# KiCad board apple-color-monitor-iie-a2m2056.kicad_pcb (continued)
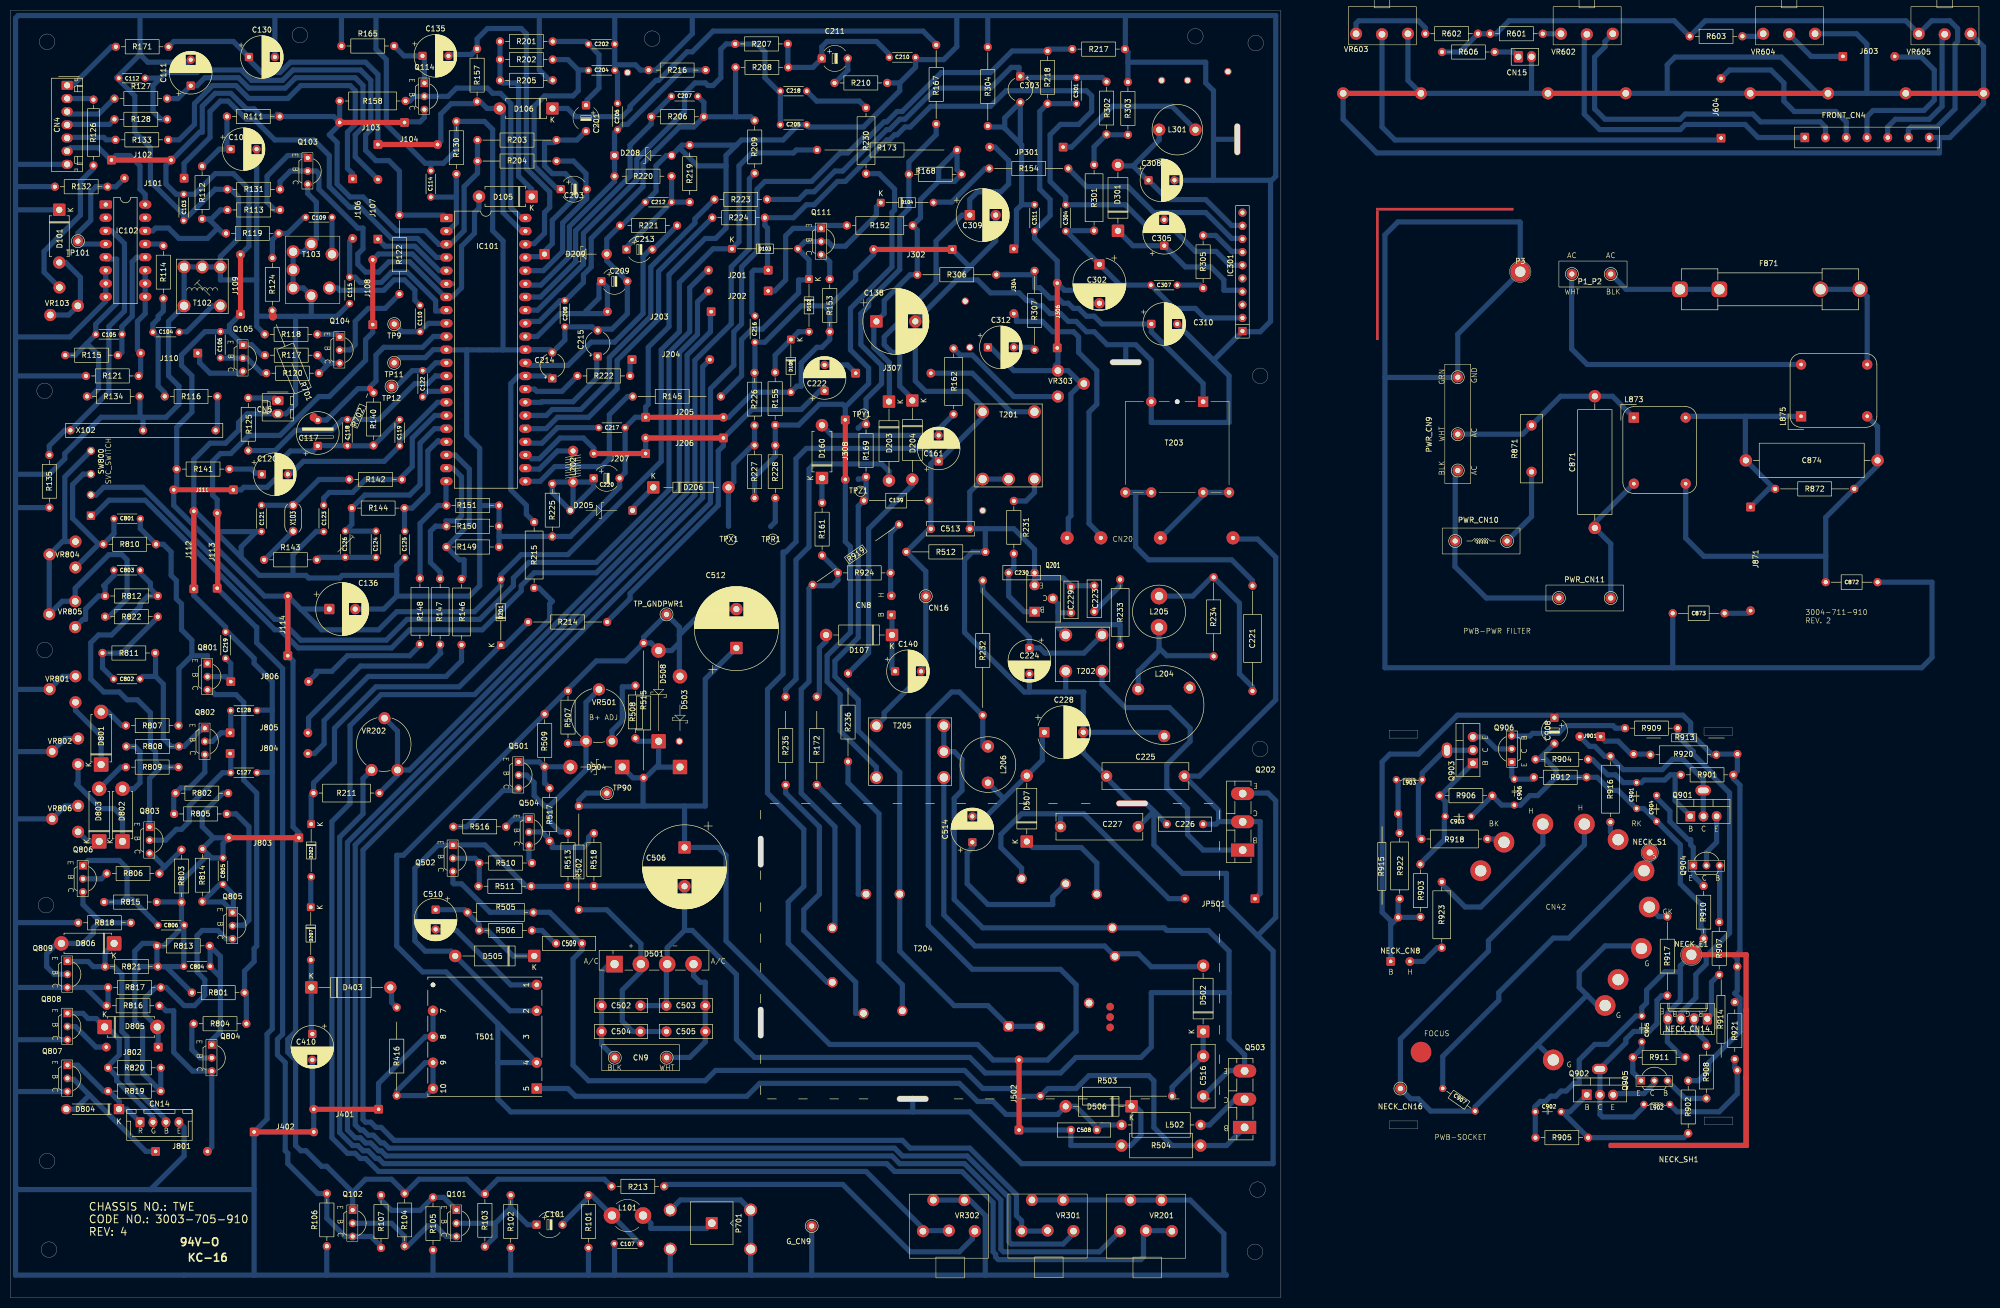
[diagram p0: board, top side]
## Footprints (pads in the part's own frame, mm; a bottom-side part is the same pattern mirrored in y, then rotated) (continued)
Laird_Technologies_BMI-S-103_26.21x26.21mm#3
  oval 1.2x6.2 hole 1x6 unplated: (0.5,48.2) (0.5,15.22)
  oval 6.2x1.2 hole 6x1: 1(29.811,0.5) 1(72.117,57.5)
Molex_KK-254_AE-6410-02A_1x02_P2.54mm_Vertical
  rrect 1.74x2.19 hole 1.19: 1(0,0)
  oval 1.74x2.19 hole 1.19: 2(2.54,0)
Molex_KK-254_AE-6410-04A_1x04_P2.54mm_Vertical
  rrect 1.74x2.19 hole 1.19: 1(0,0)
  oval 1.74x2.19 hole 1.19: 2(2.54,0) 3(5.08,0) 4(7.62,0)
Pin_D1.0mm_L10.0mm
  round 2 hole 1: 1(0,0)
Pin_D1.0mm_L10.0mm#2
  round 2 hole 1: 3(0,0)
Pin_D1.0mm_L10.0mm#3
  round 2 hole 1: TP(0,0)
Potentiometer_Piher_PT-10-V10_Vertical
  round 2.34 hole 1.3: 1(0,0) 2(10,2.5) 3(0,5)
Potentiometer_Piher_PT-15-V02_Vertical
  round 2.34 hole 1.3: (4.133,9.86) 1(4.418,-0.075) 2(13.472,4.952)
R_Array_SIP10
  oval 1.2x6.2 hole 1x6: 0(-6,22.5)
  oval 6.2x1.2 hole 6x1: 0(37,1)
  rect 1.6x1.6 hole 0.8: 1(0,0)
  round 1.6 hole 0.8: 2(2.54,0) 3(5.08,0) 4(7.62,0) 5(10.16,0) 6(12.7,0) 7(15.24,0) 8(17.78,0) 9(20.32,0) 10(22.86,0)
R_Axial_DIN0204_L3.6mm_D1.6mm_P5.08mm_Horizontal
  round 1.4 hole 0.7: 1(0,0) 2(5.08,0)
R_Axial_DIN0204_L3.6mm_D1.6mm_P7.62mm_Horizontal
  round 1.4 hole 0.7: 1(0,0) 2(7.62,0)
R_Axial_DIN0207_L6.3mm_D2.5mm_P10.16mm_Horizontal
  round 1.6 hole 0.8: 1(0,0) 2(10.16,0)
R_Axial_DIN0207_L6.3mm_D2.5mm_P15.24mm_Horizontal
  round 1.6 hole 0.8: 1(0,0) 2(15.24,0)
R_Axial_DIN0309_L9.0mm_D3.2mm_P12.70mm_Horizontal
  round 1.6 hole 0.8: 1(0,0) 2(12.7,0)
R_Axial_DIN0309_L9.0mm_D3.2mm_P20.32mm_Horizontal
  round 1.6 hole 0.8: 1(0,0) 2(20.32,0)
R_Axial_DIN0309_L9.0mm_D3.2mm_P20.32mm_Horizontal#2
  round 1.2 smd: 1(0,0) 2(11.95,0)
R_Axial_DIN0309_L9.0mm_D3.2mm_P20.32mm_Horizontal#3
  round 1.6 smd: 1(0,0) 2(21,0)
R_Axial_DIN0309_L9.0mm_D3.2mm_P25.40mm_Horizontal
  round 1.6 hole 0.8: 1(0,0) 2(25.4,0)
R_Axial_DIN0414_L11.9mm_D4.5mm_P15.24mm_Horizontal
  round 2.4 hole 1.2: 1(0,0) 2(15.24,0)
R_Axial_P11.0mm
  round 1.6 hole 0.8: 1(0,0) 2(11,0)
R_Axial_Power_L20.0mm_W6.4mm_P25.40mm
  round 2.4 hole 1.2: 1(0,0) 2(25.4,0)
R_Axial_side_shift_P20.32mm
  round 1.6 hole 0.8: 1(0,0) 2(20.004,0)
R_Box_L13.0mm_W4.0mm_P9.00mm
  round 2 hole 1: 1(0,0) 2(9,0)
Resonator-2Pin_W6.0mm_H3.0mm
  round 1.7 hole 1: 1(0,0) 2(5,0)
SMA_Amphenol_901-143_Horizontal
  rrect 2.3x2.3 hole 1.5: 1(0,0)
  round 2.5 hole 1.7: 2(-7.5,5) 2(-7.5,-2.54) 2(8,5) 2(8,-2.54)
SolderWire-0.127sqmm_1x02_P3.7mm_D0.48mm_OD1mm
  rrect 1.7x1.7 hole 0.7: 1(0,0)
  round 1.7 hole 0.7: 2(3.7,0)
TO-3P-3_Vertical
  rect 2.5x4.5 hole 1.5: 1(0,0)
  oval 2.5x4.5 hole 1.5: 2(5.45,0) 3(10.9,0)
TO-220-3_Vertical
  rect 1.905x2 hole 1.1: 1(0,0)
  oval 1.905x2 hole 1.1: 2(2.54,-3.5) 3(5.08,0)
Transformer_Breve_TEZ-22x24
  round 2 hole 0.9 unplated: (11,1)
  rect 2x2 hole 0.9: 1(6,1)
  round 2 hole 0.9: 3(16,1) 4(21,18.5) 5(16,18.5) 6(6,18.5) 7(1,18.5)
Transformer_Breve_TEZ-28x33
  round 2 hole 0.9 unplated: (20,20)
  round 2 hole 0.9: 1(20,0) 2(15,0) 4(5,0) 7(15,20) 8(10,20) 9(5,20) 10(0,20)
  rect 2x2 hole 0.9: 5(0,0)

## Nets
+12V: C103.1 C106.2 C117.1 C118.2 C119.2 C136.1 C804.2 C805.1 C806.2 CN4.6 D103.1 D201.2 IC101.3 IC102.16 J102.1 J102.2 J103.1 J103.2 J109.1 J109.2 J111.1 J111.2 J114.1 J114.2 J803.1 J803.2 Q102.1 Q105.1 Q114.3 R103.2 R104.2 R111.1 R117.1 R140.1 R141.1 R158.2 R173.1 R203.1 R204.1 R213.1 R702.2 R801.1 R802.1 R803.2 R813.2 R814.2 R815.2 R819.1 R820.1 R821.1
+18V: C138.1 D203.1 R152.1 R168.1 R173.2 R306.2
+36VAC: J308.1 J308.2 R155.2 R227.1 R228.1 R230.2 T205.2
/VCC_24V: C308.1 D301.2 IC301.9 L301.1
GND1: C901.2 C902.2 C903.2 C904.2 C905.2 C906.1 C908.2 NECK_CN14.4 NECK_E1.1 NECK_SH1.1 R904.1 R905.1 R906.2 R910.1 R911.1 R912.1
GND2: C907.2 CN42.2 CN42.3 CN42.5 CN42.9 NECK_CN16.1
GNDREF: C102.2 C103.2 C107.2 C111.2 C112.2 C114.2 C115.2 C121.2 C123.2 C125.2 C127.2 C128.2 C130.2 C136.2 C138.2 C139.2 C140.2 C161.1 C202.2 C204.2 C205.2 C206.2 C208.2 C209.2 C210.2 C212.2 C214.2 C215.2 C216.1 C217.2 C219.2 C220.2 C308.2 C309.2 C310.2 C410.2 C513.1 CN4.7 CN5.2 CN14.4 CN16.1 D101.1 D108.2 D208.2 D209.2 G_CN9.3 IC101.11 IC101.32 IC102.6 IC102.7 IC102.8 IC301.0 IC301.1 J112.1 J112.2 J205.1 J205.2 J302.1 J302.2 J401.1 J401.2 J402.1 J402.2 P701.2 Q103.3 Q807.3 Q808.3 Q809.3 R101.2 R102.2 R105.2 R106.1 R118.2 R121.1 R124.1 R130.2 R131.2 R132.1 R134.1 R135.1 R149.2 R150.2 R151.2 R153.1 R165.1 R205.1 R210.2 R216.1 R217.1 R219.1 R221.1 R225.2 R226.2 R303.1 R304.1 R512.2 R701.2 R816.1 R817.1 R818.1 T102.1 T102.3 T102.4 T102.5 T103.3 T103.4 T103.5 T103.6 T103.7 T201.2 T203.3 T204.14 T205.1 T501.7 T501.8 TP11.1 VR201.4 VR201.5 VR301.4 VR301.5 VR302.4 VR302.5 VR801.1 VR801.2 VR802.1 VR802.2 VR806.1 VR806.2 X102.3
/ACC_FILTER: C117.2 IC101.10 R140.2 R701.1 R702.1
/AFC: C205.1 C218.1 IC101.35 R207.2
/AMP_VOLTAGE: C305.1 D301.1 IC301.4
/ANODE: T204.3
/APC_FILTER: C119.1 C120.2 IC101.15
/B_Y_OUT: IC101.19 R146.2 R149.1
/BK: CN42.11 R918.2
/BLOCK_PULSE_IN: IC301.7 R305.1
/BLOCK_PULSE_OUT: C305.2 IC301.8 R154.1
/BRIGHT_CTRL: C130.1 D106.2 IC101.41 J104.1 J104.2 R157.1 R171.1
/CHROMA_IN: C110.1 IC101.9 TP9.1
/CHROMA_OUT: C122.1 IC101.12 TP12.1
/CLAMP_IN: C135.2 IC101.40 R157.2
/COLOR_CONTROL: C112.1 IC101.1 R122.1 R128.2
/CONTRAST_CONTROL: IC101.5 J107.1
/CONTRAST_OUT_C: IC101.42 Q114.2 R158.1
/CONTRAST_OUT_E: C114.1 IC101.2 R130.1
/CRT_10: CN42.10 R923.2
/DELAY_IN: IC101.4 J101.1
/DEMO_IN: C122.2 IC101.14
/FLY_7: D502.2 T204.7 T205.3
/FOCUS: T204.5
/G_Y_OUT: IC101.20 R147.1 R150.1
/GK: CN42.6 R917.1
/H_DRIVE_OUT: C222.1 IC101.24 J206.1 J206.2 J207.1 J207.2 R214.1
/H_OSC_DISCHARGE: C207.1 IC101.36 R206.1
/H_OSC_TIMING: C207.2 C208.1 IC101.34 R206.2 R208.2 R209.2
/H_VCC_8V: C209.1 IC101.33 J203.2
/HEIGHT_CTRL: IC101.29 R222.2
/HUE_CONTROL: C115.1 IC101.8 J106.2
/KILLER_FILTER: C118.1 IC101.13 R125.1
/MIN_PI_4TH_IN: C125.1 IC101.18 R144.1
/NECK_B: C908.1 NECK_CN8.1 R901.2 R902.1 R903.1 R913.1 R914.1 R915.2 R920.1 R921.2 R922.1
/NFB_IN: IC101.27 R223.2
/PWR_BLK: C502.1 C504.2 CN9.1 D501.1
/PWR_WHT: C503.1 C505.2 CN9.2 D501.4
/R_Y_OUT: IC101.21 R148.1 R151.1
/RK: CN42.8 R916.2
/SCREEN: T204.6
/SVC_SW_1: J202.1 Q111.1 R152.2
/SVC_SW_3: C801.1 R810.1 SW800.3 VR804.3
/SVC_SW_4: R822.2 SW800.4 VR804.1 VR804.2 VR805.1 VR805.2
/SYNC_OUT: C206.1 D208.1 IC101.37 R216.2 R220.1
/SYNC_SEP_H: C201.2 D209.1 IC101.39 R203.2
/SYNC_SEP_V: C203.2 IC101.38 R204.2
/TIMING: C214.1 IC101.30 R215.2
/V_DRIVE_OUT: IC101.26 R224.2
/V_SAWTOOTH_IN: C216.2 C304.1 IC301.6 J201.1 R224.1
/VERTICAL_OUT: C302.1 C304.2 C307.2 IC301.2 R301.2
/VIDEO_INV_IN: IC101.6 J108.1 J108.2 J113.1 J113.2 Q102.3 R106.2 R107.2
/VIDEO_INV_OUT: D105.2 IC101.7 Q103.2 R131.1
/VSYNC_IN: C213.2 IC101.31 R221.2
/XRAY_PROTECTOR: IC101.23 L202.2
/XTAL_DRIVE: C123.1 IC101.16 R142.1
/XTAL_IN: C124.2 C126.2 IC101.17 R144.2
/Y_OUT: IC101.22 R145.1
CTRL: CN15.2 FRONT_CN4.7 VR602.4 VR603.3 VR603.4 VR604.3 VR604.4 VR605.3 VR605.4
CTRL +12V: FRONT_CN4.6 R601.2 R602.1 R603.2 R606.1 VR605.1
GCOM: C502.2 C503.2 C506.2 C516.1 D501.3 D505.2 Q502.1 Q503.3 R511.1 R513.1 R518.1 T204.7.5 T205.4 T205.5 T501.2
GHORZ: C223.2 C224.2 C225.1 C226.1 C227.1 C228.2 C229.2 C230.2 C512.2 C513.2 D503.2 D508.2 L204.2 Q201.3 Q202.3 R507.2 R509.2 R512.1 R515.1 SH1.1 T201.3 T201.4 T202.3 T501.4 TP_GNDPWR1.TP
VCOM: C506.1 C508.2 C512.1 D503.1 D504.1 D506.1 D508.1 J502.1 J502.2 L206.1 R232.2 R502.1 R504.2 R508.1 R515.2 TP90.1
Net-(C101-Pad2): C101.2 C107.1 L101.2 R101.1
Net-(C102-Pad1): C102.1 R111.2 R112.1
Net-(C104-Pad1): C104.1 R114.1 R116.2
Net-(C109-Pad2): C109.2 R119.2 R124.2
Net-(C120-Pad1): C120.1 R141.2
Net-(C121-Pad1): C121.1 R142.2 X103.2
Net-(C124-Pad1): C124.1 C126.1 R143.2
Net-(C201-Pad1): C201.1 C202.1 R201.1
Net-(C203-Pad1): C203.1 C204.1 R202.1
Net-(C210-Pad1): C210.1 C211.1 R207.1 R208.1
Net-(C211-Pad2): C211.2 R210.1
Net-(C212-Pad1): C212.1 C213.1 R219.2 R220.2
Net-(C218-Pad2): C218.2 R230.1
Net-(C221-Pad2): C221.2 L205.1 R234.2
Net-(C223-Pad1): C223.1 R233.2
Net-(C301-Pad2): C301.2 C303.1 R223.1 R302.2
Net-(C307-Pad1): C307.1 R305.2
Net-(C312-Pad2): C312.2 R307.1
Net-(C509-Pad2): C509.2 R506.1
Net-(C514-Pad1): C514.1 T204.9
Net-(C802-Pad2): C802.2 R811.2 R822.1
Net-(C803-Pad2): C803.2 R812.2 VR805.3
Net-(C872-Pad2): C872.2 C874.1 L873.4 L875.3 R872.1
Net-(CN4-BLU): CN4.5 R133.2
Net-(CN4-BRN): CN4.1 R171.2
Net-(CN4-GRN): CN4.4 R128.1
Net-(CN4-PNK): CN4.2 R126.2
Net-(CN4-YLW): CN4.3 R127.1
Net-(CN5-RED): CN5.1 R125.2
Net-(CN8-B): C140.1 CN8.1 D107.1
Net-(CN8-H): CN8.2 R919.2 R924.2
Net-(CN14-B): CN14.3 D806.1 Q809.1 R821.2
Net-(CN14-G): CN14.2 D805.1 Q808.1 R820.2
Net-(CN14-R): CN14.1 D804.1 Q807.1 R819.2
Net-(CN15-+): CN15.1 R606.2
Net-(CN20-BLU): CN20.4 T203.6 T203.7
Net-(CN20-GRN): CN20.2 J304.2
Net-(CN20-RED): C225.2 C226.2 CN20.6 JP501.1 Q202.2
Net-(CN20-YLW): C301.1 C302.2 C311.2 C312.1 CN20.1 J306.1 J306.2 R218.2 VR303.2 VR303.3
Net-(CN42-FOCUS): CN42.1
Net-(CN42-S): C907.1 CN42.7 NECK_S1.1
Net-(D101-A): D101.2 VR103.2 VR103.3
Net-(D102-A): D102.2 D108.1 R155.1
Net-(D102-K): D102.1 D103.2 D104.1 Q111.2 R145.2
Net-(D104-A): D104.2 R154.2
Net-(D105-K): D105.1 R201.2 R202.2 R205.2
Net-(D106-K): D106.1 R167.2
Net-(D107-A): D107.2 R172.2
Net-(D160-A): C161.2 D160.2 R162.1
Net-(D160-K): D160.1 R161.1
Net-(D201-K): D201.1 D202.1 R211.2 R214.2
Net-(D202-A): D202.2 D207.1
Net-(D203-A): D203.2 R235.2
Net-(D204-A): D204.2 R236.2
Net-(D204-K): C309.1 D204.1 JP301.2
Net-(D205-A): C220.1 D205.2 L202.1 R225.1
Net-(D205-K): D205.1 D206.1
Net-(D206-A): D206.2 R226.1 R227.2 TPX1.TP
Net-(D207-A): C410.1 D207.2 D403.1
Net-(D403-A): D403.2 R416.2
Net-(D501-+): C504.1 C505.1 D501.2 R502.2
Net-(D502-K): C516.2 D502.1 R503.2
Net-(D504-A): D504.2 Q501.1 R509.1 R517.1
Net-(D505-K): C510.1 D505.1 R505.1 R506.2
Net-(D506-A): C508.1 D506.2 L502.1 T501.5
Net-(D507-A): C228.1 C514.2 D507.2 L206.2
Net-(D507-K): D507.1 T204.8
Net-(D801-A): D801.2 R807.2
Net-(D801-K): D801.1 VR801.3
Net-(D802-A): D802.2 R808.2
Net-(D802-K): D802.1 VR802.3
Net-(D803-A): D803.2 R809.2
Net-(D803-K): D803.1 VR806.3
Net-(D804-A): D804.2 J801.1 Q807.2
Net-(D805-A): D805.2 J802.1 Q805.3 R817.2
Net-(D806-A): D806.2 Q806.3 Q809.2 R818.2
Net-(F871-Pad2): F871.2 L875.4
Net-(FRONT_CN4-BLU): FRONT_CN4.5 VR605.2
Net-(FRONT_CN4-BRN): FRONT_CN4.1 VR602.2
Net-(FRONT_CN4-GRN): FRONT_CN4.4 J603.2
Net-(FRONT_CN4-PNK): FRONT_CN4.2 VR602.3
Net-(FRONT_CN4-YLW): FRONT_CN4.3 J604.2
Net-(IC101-PHASE_COMP): C217.1 IC101.25
Net-(IC101-RAMP_CAPACITOR): C215.1 IC101.28
Net-(IC102-A0): C105.1 IC102.12 R115.2
Net-(IC102-A1): IC102.13 R114.2
Net-(IC102-A): IC102.14 R112.2 R113.2 R119.1
Net-(IC102-C0): C105.2 IC102.5 R115.1 R134.2
Net-(IC102-C1): IC102.3 R135.2 X102.1
Net-(IC102-C): IC102.4 J101.2 R132.2 TP101.1
Net-(IC102-S1): IC102.9 IC102.10 IC102.11 J110.2 R121.2
Net-(J106-A): J106.1 R133.1
Net-(J107-B): C111.1 J107.2 R127.2
Net-(J110-A): J110.1 Q105.3
Net-(J201-B): J201.2 SW800.2
Net-(J202-B): J202.2 SW800.1
Net-(J203-A): J203.1 R211.1 VR202.1 VR202.2
Net-(J204-A): J204.1 R222.1
Net-(J204-B): J204.2 VR301.1
Net-(J304-A): C303.2 C311.1 J304.1 R304.2
Net-(J307-A): C222.2 J307.1
Net-(J307-B): J307.2 T201.1
Net-(J603-A): J603.1 VR604.2
Net-(J604-A): J604.1 VR603.2
Net-(J801-B): J801.2 Q804.3 R816.2
Net-(J802-B): J802.2 Q808.2
Net-(J804-A): C127.1 J804.1 Q803.2
Net-(J804-B): J804.2 R146.1
Net-(J805-A): C128.1 J805.1 Q802.2
Net-(J805-B): J805.2 R147.2
Net-(J806-A): C219.1 J806.1 Q801.2
Net-(J806-B): J806.2 R148.2
Net-(J871-A): C874.2 J871.1 L873.2 L875.1 R872.2
Net-(J871-B): C873.1 J871.2
Net-(J901-A): J901.1 R913.2 R920.2
Net-(J901-B): J901.2 Q901.2 R916.1
Net-(JP301-A): JP301.1 L301.2
Net-(JP501-B): C227.2 JP501.2 T204.10
Net-(L204-Pad1): L204.1 L205.2 R234.1
Net-(L902-Pad2): L902.2 R914.2 R921.1
Net-(L903-Pad1): L903.1 R915.1 R922.2
Net-(NECK_CN8-H): NECK_CN8.2 R923.1
Net-(NECK_CN14-B): NECK_CN14.3 R909.1
Net-(NECK_CN14-G): NECK_CN14.2 R908.2
Net-(NECK_CN14-R): NECK_CN14.1 R907.1
Net-(P1_P2-BLK): F871.1 P1_P2.2
Net-(P1_P2-WHT): L875.2 P1_P2.1
Net-(P3-GND): C872.1 C873.2 P3.1 PWR_CN9.3
Net-(P701-In): L101.1 P701.1
Net-(PWR_CN9-WHT): C871.2 L873.1 PWR_CN9.2 R871.2
Net-(PWR_CN10-Pin_1): PWR_CN9.1 PWR_CN10.1 PWR_CN11.1
Net-(PWR_CN10-Pin_2): PWR_CN10.2 R871.1
Net-(PWR_CN11-Pin_2): C871.1 L873.3 PWR_CN11.2
Net-(Q101-B): C101.1 Q101.2 R102.1 R103.1
Net-(Q101-C): Q101.3 Q102.2 R104.1
Net-(Q101-E): Q101.1 R105.1 R107.1
Net-(Q103-E): Q103.1 R113.1
Net-(Q104-B): Q104.2 R122.2
Net-(Q104-C): Q104.3 R117.2 R120.2
Net-(Q104-E): Q104.1 R118.1
Net-(Q105-B): C106.1 Q105.2 R120.1
Net-(Q111-C): Q111.3 R153.2
Net-(Q114-E): C135.1 Q114.1 R165.2
Net-(Q201-B): C230.1 Q201.1 R231.2
Net-(Q201-C): C229.1 Q201.2 R233.1 T202.2
Net-(Q202-B): Q202.1 T202.4
Net-(Q501-B): Q501.2 R507.1 R513.2 VR501.2 VR501.3
Net-(Q501-C): Q501.3 R516.1
Net-(Q502-B): Q502.2 R510.2 R511.2
Net-(Q502-C): C509.1 Q502.3 Q503.1 R503.1 R504.1 R505.2
Net-(Q503-C): L502.2 Q503.2
Net-(Q504-B): Q504.2 R517.2 R518.2
Net-(Q504-C): Q504.3 R510.1
Net-(Q504-E): Q504.1 R516.2
Net-(Q801-C): Q801.3 R801.2 R804.2
Net-(Q801-E): C801.2 Q801.1 R807.1 R810.2
Net-(Q802-C): Q802.3 R802.2 R805.1
Net-(Q802-E): C802.1 Q802.1 R808.1 R811.1
Net-(Q803-C): Q803.3 R803.1 R806.2
Net-(Q803-E): C803.1 Q803.1 R809.1 R812.1
Net-(Q804-B): Q804.2 R804.1
Net-(Q804-E): C804.1 Q804.1 R813.1
Net-(Q805-B): Q805.2 R805.2
Net-(Q805-E): C805.2 Q805.1 R814.1
Net-(Q806-B): Q806.2 R806.1
Net-(Q806-E): C806.1 Q806.1 R815.1
Net-(Q901-B): C901.1 Q901.1 R901.1 R904.2
Net-(Q901-E): Q901.3 Q904.2
Net-(Q902-B): C902.1 Q902.1 R902.2 R905.2
Net-(Q902-C): L902.1 Q902.2 R917.2
Net-(Q902-E): Q902.3 Q905.2
Net-(Q903-B): C903.1 Q903.1 R903.2 R906.1
Net-(Q903-C): L903.2 Q903.2 R918.1
Net-(Q903-E): Q903.3 Q906.2
Net-(Q904-B): Q904.3 R907.2
Net-(Q904-E): C904.1 Q904.1 R910.2
Net-(Q905-B): Q905.3 R908.1
Net-(Q905-E): C905.1 Q905.1 R911.2
Net-(Q906-B): Q906.3 R909.2
Net-(Q906-E): C906.2 Q906.1 R912.2
Net-(R116-Pad1): R116.1 X102.2
Net-(R126-Pad1): R126.1 VR103.1
Net-(R143-Pad1): R143.1 X103.1
Net-(R161-Pad2): R161.2 R919.1 R924.1 T204.13
Net-(R162-Pad2): R162.2 VR303.1
Net-(R172-Pad1): R172.1 T204.12
Net-(R209-Pad1): R209.1 VR201.3
Net-(R213-Pad2): R213.2 VR302.1
Net-(R215-Pad1): R215.1 VR302.2 VR302.3
Net-(R217-Pad2): R217.2 R218.1 VR301.2 VR301.3
Net-(R235-Pad1): R235.1 T204.15
Net-(R236-Pad1): R236.1 T204.16
Net-(R301-Pad1): R301.1 R302.1 R303.2
Net-(R508-Pad2): R508.2 VR501.1
Net-(R601-Pad1): R601.1 VR602.1
Net-(R602-Pad2): R602.2 VR603.1
Net-(R603-Pad1): R603.1 VR604.1
Net-(SH2-PWR_PCB_MOUNT): SH2.1
Net-(T102-AB): C104.2 T102.2
Net-(T103-AA): C109.1 T103.1
Net-(T103-AB): C110.2 T103.2
Net-(T201-SB): R231.1 T201.5
Net-(T202-AA): C224.1 R232.1 T202.1
Net-(T203-IN+): C310.1 R306.1 R307.2 T203.1
Net-(T203-OUT2A): C221.1 T203.4 T203.5
Net-(T501-PA): C510.2 T501.1
Net-(T501-SA): R416.1 T501.9 T501.10
Net-(TPR1-TP_R): R228.2 TPR1.TP
Net-(TPY1-TP_Y): R167.1 R168.2 R169.1 TPY1.TP
Net-(TPZ1-TP_Z): C139.1 R169.2 T204.1 T204.2 T204.11 TPZ1.TP
Net-(VR201-Pad1): VR201.1 VR201.2 VR202.3

Pads without a net: CN42 4 12; IC102 1 2 15; IC301 3 5 10

## Routing (per net, layer and track width the routed paths; a pad name or vN(x,y) marks a point on that pad's centre or on a via; arc(x,y) is an arc through that point)
+12V: length 845.6
  Top w1: J102.1 J102.2 ; J103.2 J103.1 ; J109.2 J109.1 ; J111.2 J111.1 ; J803.2 J803.1 ; J114.2 J114.1
  Bottom w1: R801.1 29.98,63.87 R821.1 ; J103.2 62.35,227.87 R111.1 ; J103.2 R158.2 ; J103.2 63.5,226.34 61.5,224.34 63,222.84 63,214.84 65.5,212.34 68,212.34 74.5,205.84 80,205.84 82.64,203.21 IC101.3 84.86,203.21 87.5,205.84 87.5,214.34 90.08,216.92 R204.1 R203.1 ; 39.16,88.72 R814.2 38.13,85.47 ; 39.16,88.72 J803.2 41,87.59 C805.1 38.76,84.84 38.13,85.47 ; 39.16,88.72 37,90.88 37,93.34 40.98,97.32 R802.1 ; 42.25,186.38 C106.2 40.44,186.38 40.42,186.37 37.52,186.37 33,181.84 33,179.84 35,177.84 35,170.84 32.08,167.92 R141.1 32.08,156.42 J111.2 31.5,152.84 49,135.34 J114.2 56,132.84 ; 42.25,186.38 42.25,187.59 J109.1 ; 42.25,186.38 Q105.1 46.45,183.79 46.5,183.84 48.53,181.82 R117.1 ; R111.1 48.47,227.87 47,229.34 45.5,229.34 42.5,232.34 39.5,232.34 37,229.84 37,224.84 36.5,224.84 31.12,219.47 J102.2 30,218.47 30,214.84 31.98,212.87 C103.1 35.52,212.87 39.5,216.84 43,216.84 46,213.84 46,202.84 J109.2 ; R111.1 51.45,228.34 ; C806.2 33.45,71.75 C804.2 33.39,63.87 R821.1 ; C806.2 29.56,67.87 R813.2 ; C806.2 33,72.38 R803.2 ; 38.13,85.47 33,80.34 R803.2 ; Q114.3 79.84,227.68 79,226.84 76.12,226.84 J103.1 ; R813.2 28.27,64.03 R821.1 ; R813.2 27.79,68.34 25.5,68.34 24,66.84 24,53.84 ; R821.1 25.02,63.87 24,62.84 ; 66,20.34 61,25.34 60,25.34 57,28.34 56,28.34 55,29.34 55,45.84 53.5,47.34 53.5,49.84 55,51.34 55,88.09 J803.1 55.62,89.72 54.5,90.84 54.5,122.84 J114.1 ; 66,20.34 Q102.1 ; 66,20.34 68.5,22.84 73.5,22.84 76.03,20.32 R104.2 78.79,22.84 88,22.84 90.84,20 R103.2 91.5,20.34 94,22.84 114.55,22.84 R213.1 ; R815.2 28.48,76.32 28.5,76.34 32.92,76.34 R803.2 ; C136.1 56,132.84 ; 56,132.84 60,128.84 71,128.84 74.5,132.34 89.5,132.34 94.58,137.42 D201.2 94.58,139.42 98.5,143.34 107.5,143.34 125.5,161.34 125.5,182.84 129,186.34 129,195.84 135.5,202.34 D103.1 140.5,203.69 140.5,218.34 143,220.84 151,220.84 151.57,221.41 R173.1 ; CN4.6 11.61,221.84 17,221.84 19.38,219.47 J102.1 20.38,220.34 23,220.34 25,218.34 25,213.84 26,212.84 IC102.16 ; J111.1 44.5,155.84 45,156.34 49.5,156.34 51.5,158.34 51.5,160.84 54,163.34 58.31,163.34 C117.1 59.33,164.36 R702.2 ; C118.2 69.95,164.34 R140.1 70.08,164.42 75.05,169.4 C119.2 ; 24,53.34 25.5,51.84 25.5,43.34 R819.1 R820.1
+18V: length 68.3
  Bottom w1: 179,215.34 179,217.84 182.55,221.39 R173.2 182.55,217.59 R168.1 182.05,215.34 179,215.34 ; 179,215.34 175.5,211.84 175.5,208.34 R152.1 174.88,205.96 R306.2 ; R306.2 175,197.34 ; R306.2 173.5,197.34 168.5,192.34 168.5,189.84 C138.1 166.5,187.84 166.5,183.34 169.5,180.34 169.5,172.84 169.48,172.87 D203.1
+36VAC: length 164.4
  Top w1: J308.1 J308.2
  Bottom w1: T205.2 167,102.34 160,109.34 160,116.34 157.5,118.84 157.5,123.84 162,128.34 162,144.84 161,145.84 J308.2 ; R230.2 167.5,216.84 170.5,213.84 170.5,209.84 170,209.34 170,198.84 162,190.84 162,182.84 165.5,179.34 165.5,176.34 161,171.84 ; 161,171.84 160.5,172.34 156,172.34 152,168.34 R155.2 147.5,168.34 R228.1 147.5,162.34 143.5,158.34 R227.1 ; 161,171.84 J308.1
/VCC_24V: length 37.9
  Bottom w1: 216.5,218.34 221.52,223.37 L301.1 ; 216.5,218.34 213.75,218.34 D301.2 ; 216.5,218.34 219.27,215.57 C308.1 223.19,211.84 230.5,211.84 235.5,206.84 237.5,206.84 237.56,206.79 IC301.9
GND1: length 232.3
  Top w1: NECK_SH1.1 NECK_SH1.1 NECK_SH1.1 334.7,42.37 NECK_SH1.1 334.7,42.38 NECK_SH1.1 334.7,66.11 334.74,66.15 NECK_E1.1
  Bottom w1: C903.2 281.78,92.86 R906.2 287.56,95.02 C906.1 291.18,95.02 293.02,96.86 294.52,96.86 298.04,100.38 ; C908.2 294.69,103.83 R904.1 295.99,103.83 296.02,103.86 298.04,101.83 298.04,100.38 ; 322.02,62.86 322.02,57.36 319.6,54.94 NECK_CN14.4 319.52,53.72 319.52,49.36 322.54,46.33 R911.1 ; 322.02,62.86 319.02,62.86 315.52,59.36 315.52,56.86 314.59,55.93 C905.2 313.49,54.33 308.02,48.86 305.52,48.86 302.52,45.86 302.52,41.36 301.52,41.36 300.02,39.86 299.02,39.86 298.02,38.86 297.02,38.86 296.02,37.86 295.02,37.86 293.94,36.78 293.94,35.86 ; 322.02,62.86 322.02,64.02 NECK_E1.1 326.52,68.52 R910.1 326.52,70.86 326.02,71.36 326.02,75.86 322.02,79.86 322.02,87.36 317.49,91.88 C904.2 314.97,94.36 C901.2 313.52,94.36 310.02,97.86 308.52,97.86 305.99,100.38 R912.1 298.04,100.38 ; C902.2 294.04,30.91 R905.1
GND2: length 141
  Bottom w1: 314.52,67.86 307.52,67.86 302.52,62.86 302.52,59.86 304.02,58.36 ; 304.02,58.36 306.02,56.36 CN42.3 ; 304.02,58.36 294.52,48.86 ; 294.52,48.86 CN42.2 ; 294.52,48.86 282.45,36.79 C907.2 273.89,35.99 271.52,38.36 270.02,38.36 NECK_CN16.1 268.04,49.88 285.02,66.86 285.02,68.86 303.52,87.36 CN42.9
GNDREF: length 2876.7
  Top w1: J402.1 J402.2 ; J302.1 J302.2 ; J112.2 J112.1 ; J401.2 J401.1 ; J205.1 J205.2
  Bottom w0.2: C204.2 116.54,236.78
  Bottom w1: IC102.6 IC102.7 IC102.8 18.38,192.22 11.5,185.34 1,185.34 ; 54.5,139.34 57,139.34 57.5,138.84 63.5,138.84 64,139.34 74.5,139.34 ; 54.5,139.34 54.5,143.34 59,147.84 59.05,147.79 C123.2 ; 54.5,139.34 48,139.34 44.5,142.84 ; 25.5,169.84 25,169.84 ; 25.5,169.84 30,169.84 32.5,172.34 32.5,175.84 30.5,177.84 30.5,188.34 T102.1 T102.5 T102.4 T102.3 ; 25.5,169.84 25.58,169.77 X102.3 ; 25,169.84 17.5,169.84 10.5,162.84 10.5,161.84 7.5,158.84 1,158.84 ; 25,169.84 25,173.84 24.98,173.87 R134.1 ; 188.5,247.34 215,247.34 ; 188.5,247.34 188.48,247.32 R304.1 ; 188.5,247.34 182.5,247.34 ; 215,247.34 244,247.34 244,216.34 243,215.34 ; 215,247.34 215,240.84 214.98,240.87 R217.1 215.5,240.29 215.5,238.34 ; 215,183.84 211.5,183.84 209,186.34 207.5,186.34 205.5,188.34 204,188.34 202.5,189.84 200.5,189.84 199,191.34 198,191.34 197,192.34 196,192.34 194.5,193.84 189,193.84 186.5,196.34 182.5,196.34 ; 215,183.84 215.08,183.76 IC301.0 ; 215,183.84 217,183.84 220,180.84 T203.3 220,168.84 235,168.84 235,177.84 232,180.84 ; 157.5,190.84 157,191.34 152.5,191.34 145.48,184.32 C216.1 143.57,178.5 R226.2 143.5,174.84 ; 157.5,190.84 158,190.34 R153.1 158,184.84 156.5,183.34 155.5,183.34 152.5,180.34 152.5,175.84 151.66,175.84 D108.2 143.66,174.68 143.5,174.84 ; 157.5,190.84 163,196.34 163,197.84 166.48,201.32 J302.2 ; D101.1 1.02,209.87 1,209.84 ; R121.1 1.02,177.82 1,177.84 ; 1,185.34 1,177.84 ; 1,185.34 1,209.84 ; 1,177.84 1,158.84 ; 1,158.84 1,152.34 ; Q807.3 1.08,39.76 1,39.84 ; 47.5,196.34 47.5,221.84 47.47,221.81 C102.2 ; 47.5,196.34 47.5,189.34 ; 47.5,196.34 40.5,196.34 T102.3 ; 1,21.34 1.5,20.84 27,20.84 ; 1,21.34 1,39.84 ; 1,21.34 1,4.34 47,4.34 ; 50.5,101.34 50.5,51.84 49.5,50.84 49.5,34.47 J402.1 47,20.84 ; 50.5,101.34 47.63,101.34 C127.2 ; 50.5,101.34 50.5,113.34 ; G_CN9.3 154.52,4.37 154.5,4.34 ; 55,189.31 58,189.31 ; 55,189.31 R701.2 ; 55,189.31 55,172.34 53.17,170.51 CN5.2 45.66,170.51 44,168.84 44,167.34 41.5,164.84 38.5,164.84 35.38,161.72 J112.2 35.62,151.72 39.55,147.79 ; 47,20.84 47,4.34 ; 47,20.84 27,20.84 ; 94.23,146.84 R150.2 R151.2 90.53,152.82 90.5,152.84 ; 94.23,146.84 R149.2 ; 94.23,146.84 R225.2 108,146.84 117.5,156.34 117.47,156.37 C220.2 118.54,159.14 C217.2 118.54,167.88 120.5,169.84 J205.1 122.5,171.84 123,172.34 123,183.34 127,187.34 127,197.34 134,204.34 136,204.34 138,206.34 138,218.34 ; 39.55,147.79 44.5,142.84 ; 39.55,147.79 C121.2 47.44,147.79 44.5,144.84 44.5,142.84 ; 70.5,247.34 102,247.34 ; 70.5,247.34 64,247.34 ; 70.5,247.34 70.5,240.84 72.5,238.84 72.5,226.34 80,218.84 81,218.84 ; 102,247.34 102,236.84 104,234.84 R205.1 ; 102,247.34 116.5,247.34 ; 90.5,152.84 90.5,163.84 88,166.34 88,182.84 ; 90.5,152.84 90.5,137.34 88.5,135.34 74.5,135.34 ; 74.5,139.34 74.5,141.19 C125.2 ; 74.5,139.34 74.5,135.34 ; C310.2 232,180.84 ; 232,180.84 237.58,186.43 IC301.1 237.71,186.34 241,186.34 243,188.34 243,215.34 ; R135.1 1.07,152.42 1,152.34 ; J401.1 71,41.34 80,50.34 T501.8 T501.7 ; 25,239.84 26.5,238.34 34.31,238.34 C111.2 ; 25,239.84 25,247.34 ; 25,239.84 20.5,235.34 20.58,235.27 C112.2 20.92,234.92 24,231.84 24,224.84 27,221.84 27,215.34 33.42,208.92 C103.2 33.45,207.79 39.5,213.84 39.52,213.82 R131.2 42.52,213.82 44,212.34 44,204.34 40.5,200.84 T102.3 ; 47,4.34 61,4.34 ; 232,223.34 232,215.57 ; 232,223.34 232,232.84 230.5,234.34 230.5,238.34 215.5,238.34 ; 232,223.34 232.12,223.47 IC301.0 ; 232,215.57 C308.2 ; 232,215.57 242.78,215.57 243,215.34 ; 1,49.84 1,39.84 ; 1,49.84 1.08,49.76 Q808.3 ; 1,49.84 1,59.84 ; 64,247.34 63.84,247.18 R165.1 ; 64,247.34 51,247.34 ; 1,152.34 1,117.34 ; 1,218.84 1.2,218.64 CN4.7 ; 1,218.84 1,214.34 ; 1,218.84 1,246.84 1.5,247.34 25,247.34 ; 88,182.84 95,182.84 ; 88,182.84 84.12,182.84 IC101.11 81.55,182.89 80,181.34 75,181.34 TP11.1 ; C161.1 176.5,163.84 153.5,163.84 151.5,161.84 151.5,145.84 149.5,143.84 149,143.84 149,120.34 146,117.34 146,97.34 153,90.34 153,79.34 150,76.34 150,68.34 157.5,60.84 T204.14 ; R102.2 96.47,4.37 96.5,4.34 ; 143.5,174.84 138.5,169.84 J205.2 ; 14.5,59.84 Q809.3 1,59.84 ; 14.5,59.84 R817.1 18.84,56.58 R816.1 18.02,56.32 14.5,59.84 ; 188,4.34 188,15.84 185.02,18.82 VR302.4 VR302.5 ; 188,4.34 154.5,4.34 ; 188,4.34 234.5,4.34 234,4.84 234,12.34 227.52,18.82 VR201.4 VR201.5 215.95,18.84 VR301.4 VR301.5 ; R132.1 8.52,214.32 8.5,214.34 1,214.34 ; 182.5,196.34 C138.2 174.5,176.84 176.5,174.84 184.5,174.84 187.48,171.87 T201.2 ; 182.5,196.34 185,198.84 ; VR806.1 10.55,94.87 VR806.2 1.02,92.37 1,92.34 ; 111.5,4.34 116.5,4.34 ; 111.5,4.34 96.5,4.34 ; 111.5,4.34 111.48,4.37 R101.2 ; 116.5,4.34 127.5,4.34 ; 116.5,4.34 116.5,10.34 116.45,10.4 C107.2 ; 131.5,247.34 182.5,247.34 ; 131.5,247.34 131.5,243.84 124.48,236.82 R216.1 121.52,236.82 120.5,237.84 116.54,237.84 ; 131.5,247.34 116.5,247.34 ; 182.5,247.34 182.5,241.34 180,238.84 174.98,238.84 C210.2 174.56,237.4 171.5,234.34 ; T201.2 187.48,169.82 178.97,161.31 177.97,161.31 177.5,160.84 177.5,154.19 C139.2 177.5,153.34 C513.1 ; T201.2 187.48,170.87 187.5,170.84 ; 47.5,189.34 47.5,187.38 R118.2 ; 47.5,189.34 50.5,189.34 50.53,189.31 R701.2 ; 116.54,237.84 C202.2 116.54,247.3 116.5,247.34 ; 116.54,237.84 116.54,236.78 ; P701.2 127.25,4.59 127.5,4.34 ; R124.1 50.53,189.42 R701.2 ; 140,222.34 138,220.34 138,218.34 ; 140,222.34 R219.1 129.5,222.34 129,221.84 ; 140,222.34 141,223.34 149,223.34 151.93,226.27 C205.2 153.98,225.84 164.5,225.84 171.5,232.84 171.5,234.34 ; 1,117.34 1,105.34 ; 1,117.34 7.53,117.34 VR801.2 10.05,119.87 VR801.1 ; 1,105.34 1,92.34 ; 1,105.34 8,105.34 8.02,105.37 VR802.2 10.55,107.87 VR802.1 ; 1,72.34 13,72.34 13.02,72.32 R818.1 ; 1,72.34 1,59.84 ; 1,72.34 1,92.34 ; 154.5,4.34 143,4.34 ; T205.1 168.5,111.84 168.5,112.84 175.6,119.94 C140.2 176.52,121.77 CN16.1 ; 1,214.34 1,209.84 ; C136.2 72,132.84 74.5,135.34 ; C130.2 51,247.34 ; 51,247.34 25,247.34 ; C513.1 177.5,148.34 ; C513.1 177.21,148.32 R512.2 176.52,140.1 CN16.1 ; 129,221.84 D208.2 126.5,220.34 124.5,218.34 124.5,213.42 C212.2 117.89,206.82 R221.1 115,204.24 D209.2 115,200.04 C209.2 118.97,189.81 116,186.84 113.52,186.84 113.08,186.4 112.18,187.29 C208.2 106.92,184.75 104.58,182.4 104.08,182.89 IC101.32 99.45,182.89 99.5,182.84 95,182.84 ; 129,221.84 132.5,218.34 138,218.34 ; Q103.3 57.34,213 59,211.34 59,204.25 T103.7 56.53,201.78 T103.6 T103.5 T103.4 56.53,194.78 T103.3 58.03,189.34 58,189.31 ; C206.2 117.08,236.25 C204.2 ; 58,189.31 62.95,189.31 C115.2 ; 171.5,234.34 R210.2 ; 27,20.84 33.5,27.34 33.5,32.84 CN14.4 ; 127.5,4.34 143,4.34 ; J402.2 J401.2 58.22,36.62 C410.2 ; 35.5,136.84 J112.1 35.38,135.47 41.5,129.34 C219.2 41.92,128.42 47,123.34 47,122.34 50.5,118.84 50.5,113.34 ; C128.2 47.55,113.29 47.5,113.34 50.5,113.34 ; R106.1 61.03,9.87 61,9.84 61,4.34 ; 215.5,238.34 R303.1 ; 61,4.34 81.5,4.34 ; 81.5,4.34 96.5,4.34 ; 81.5,4.34 R105.2 ; CN16.1 176.5,135.34 ; C309.2 190,203.84 185,198.84 ; 143,4.34 142.75,4.59 P701.2 P701.2 140.81,18.84 129.19,18.84 P701.2 ; 95,182.84 95,203.84 93,205.84 93,225.34 91.42,226.92 R130.2 86,221.34 83.5,218.84 81,218.84 ; 185,198.84 J302.1 ; C114.2 81.08,218.77 81,218.84